# Altium PCB RaspberryHatBoard.PcbDoc
Units mm, origin at the board's own origin, x right, y up, seen from the top; angles counter-clockwise.
Board outline 89 x 56 mm, 2 copper layers (Top Layer, Bottom Layer); 86 components, 77 nets, 302 pads, 61 vias.
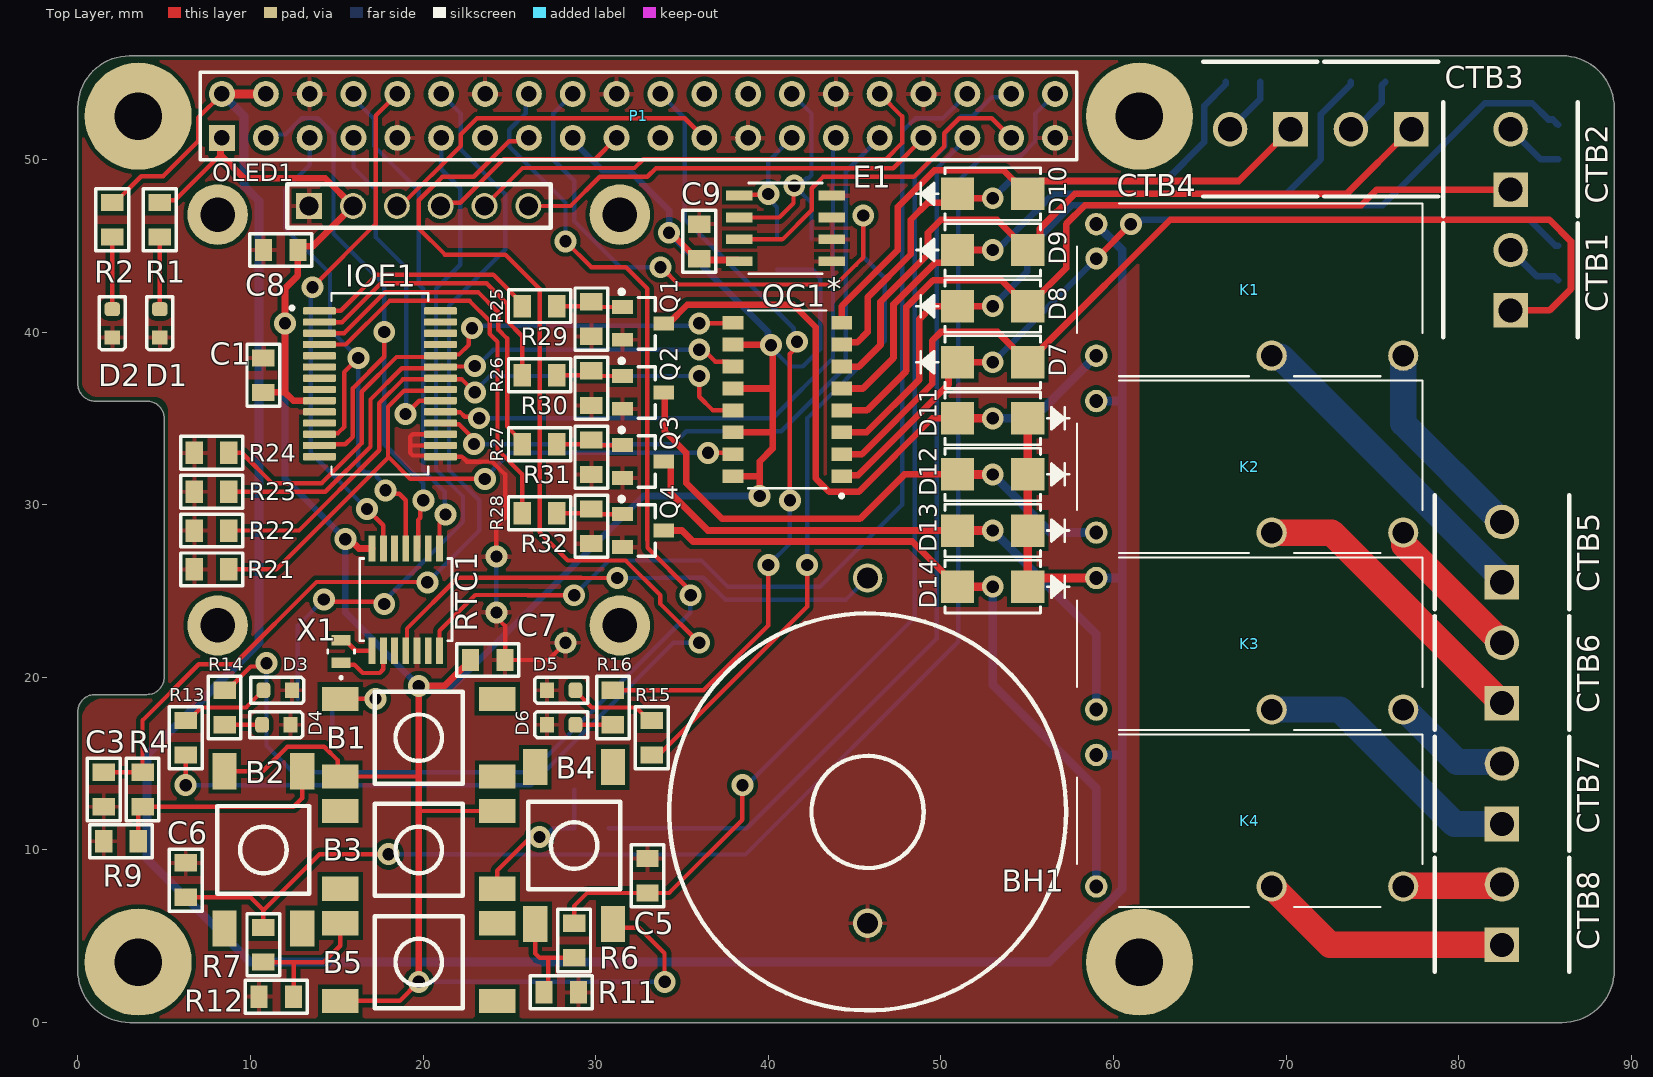
[diagram p0: Top Layer view]
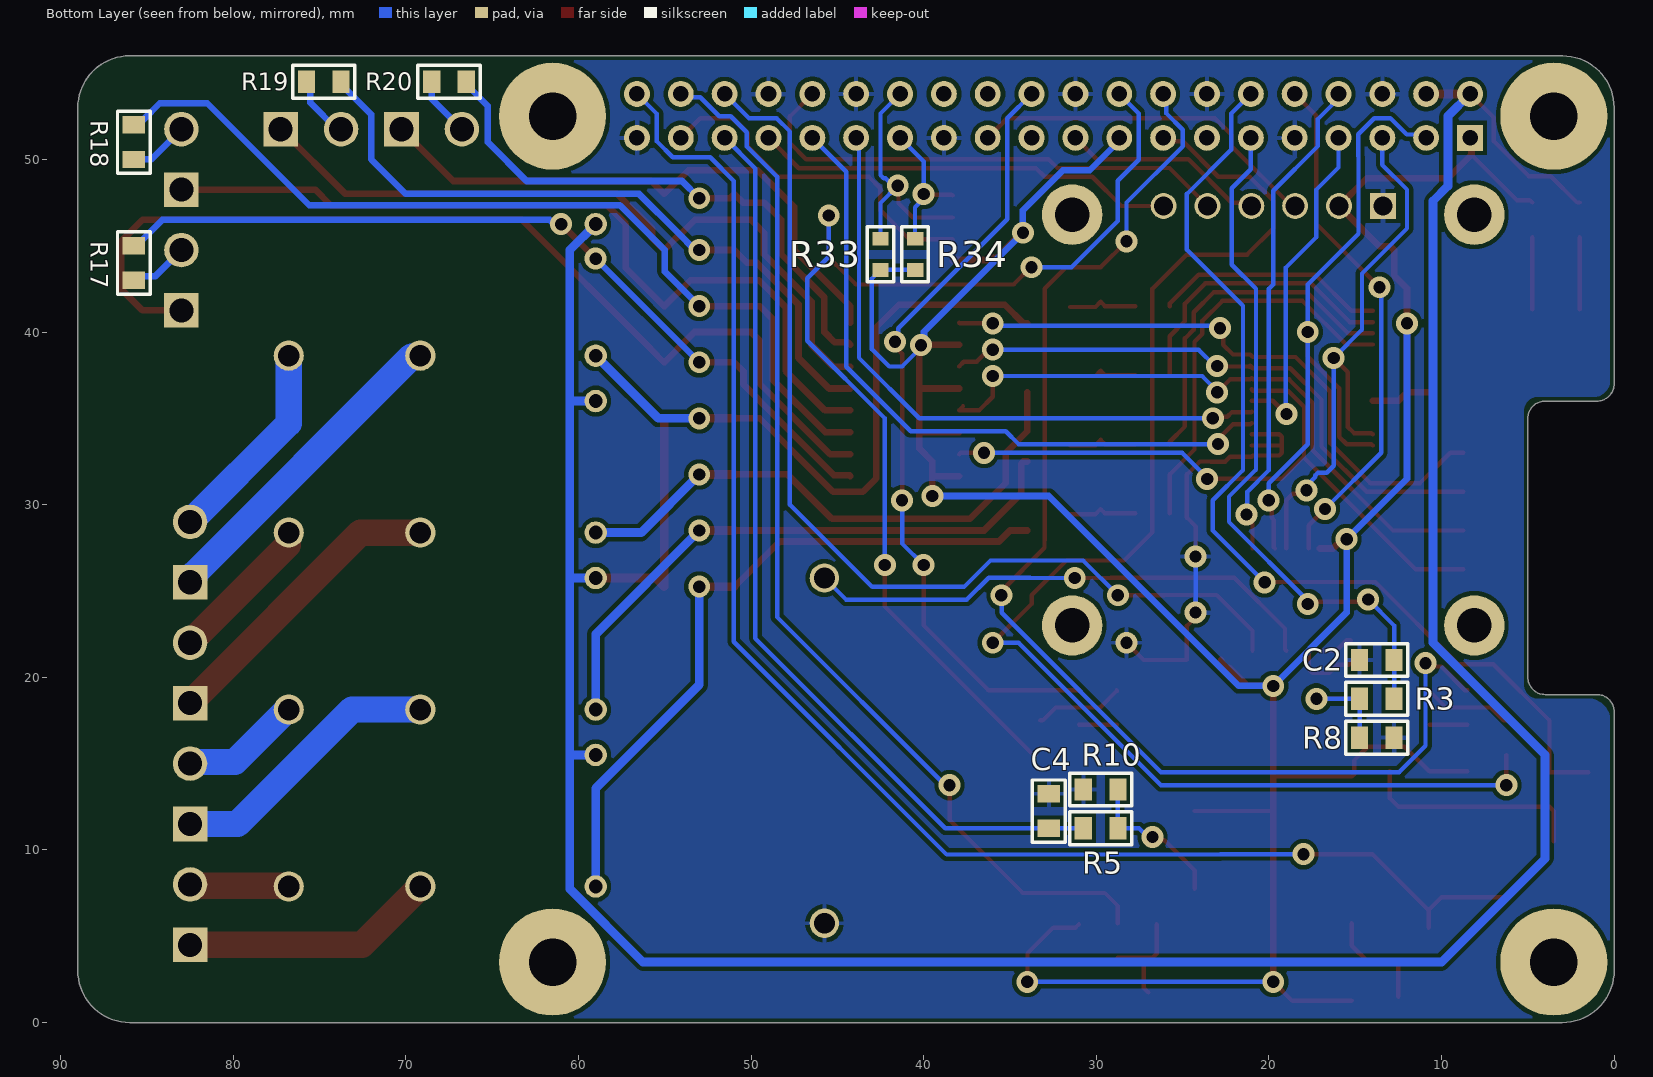
[diagram p1: Bottom Layer view, seen from below]
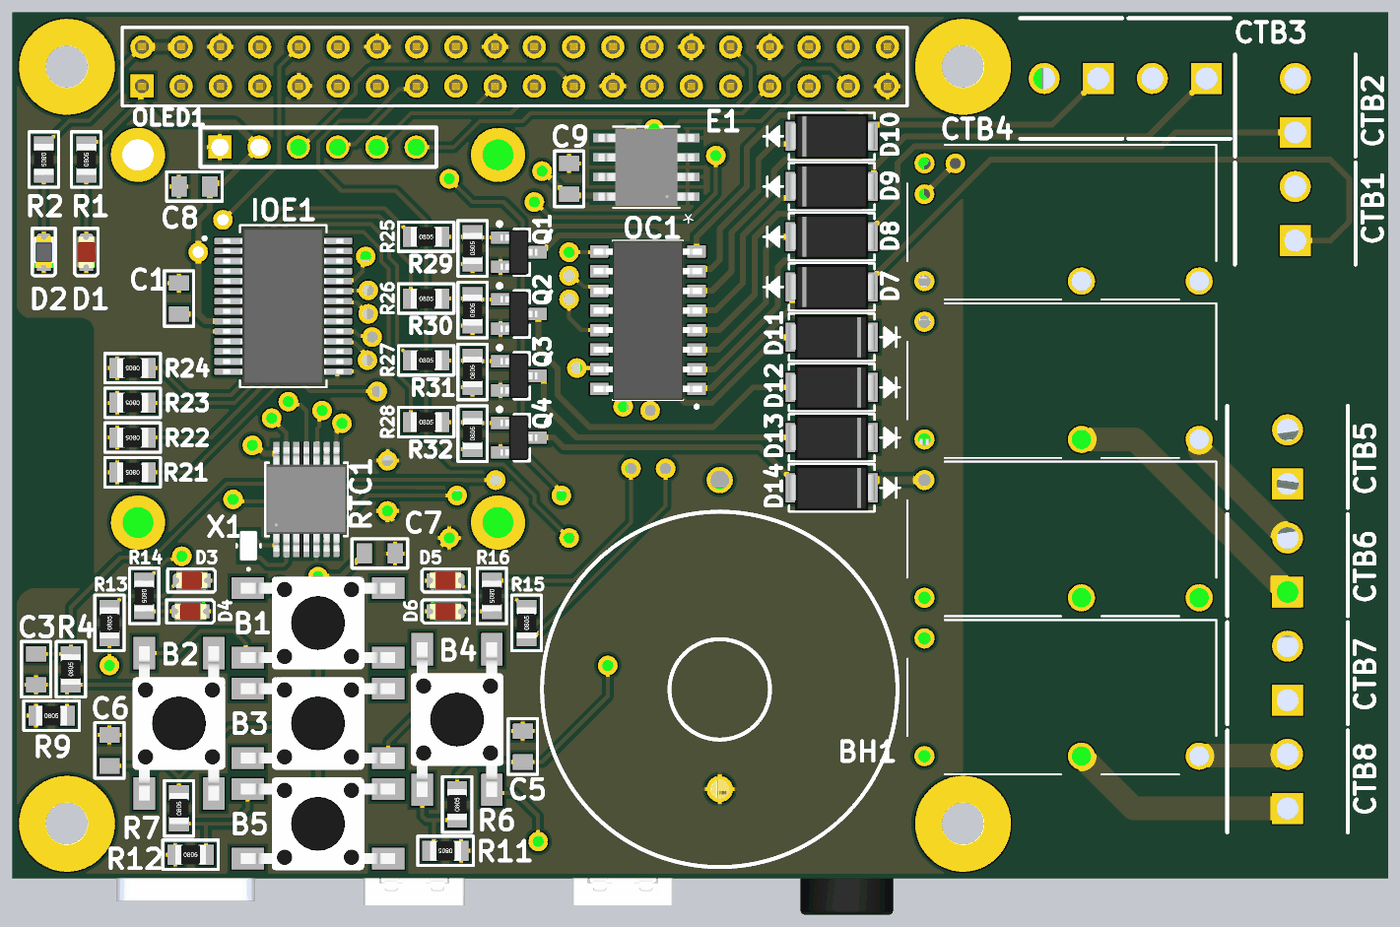
[diagram p2: 3D render of the assembled board from above, using the file's embedded part models]
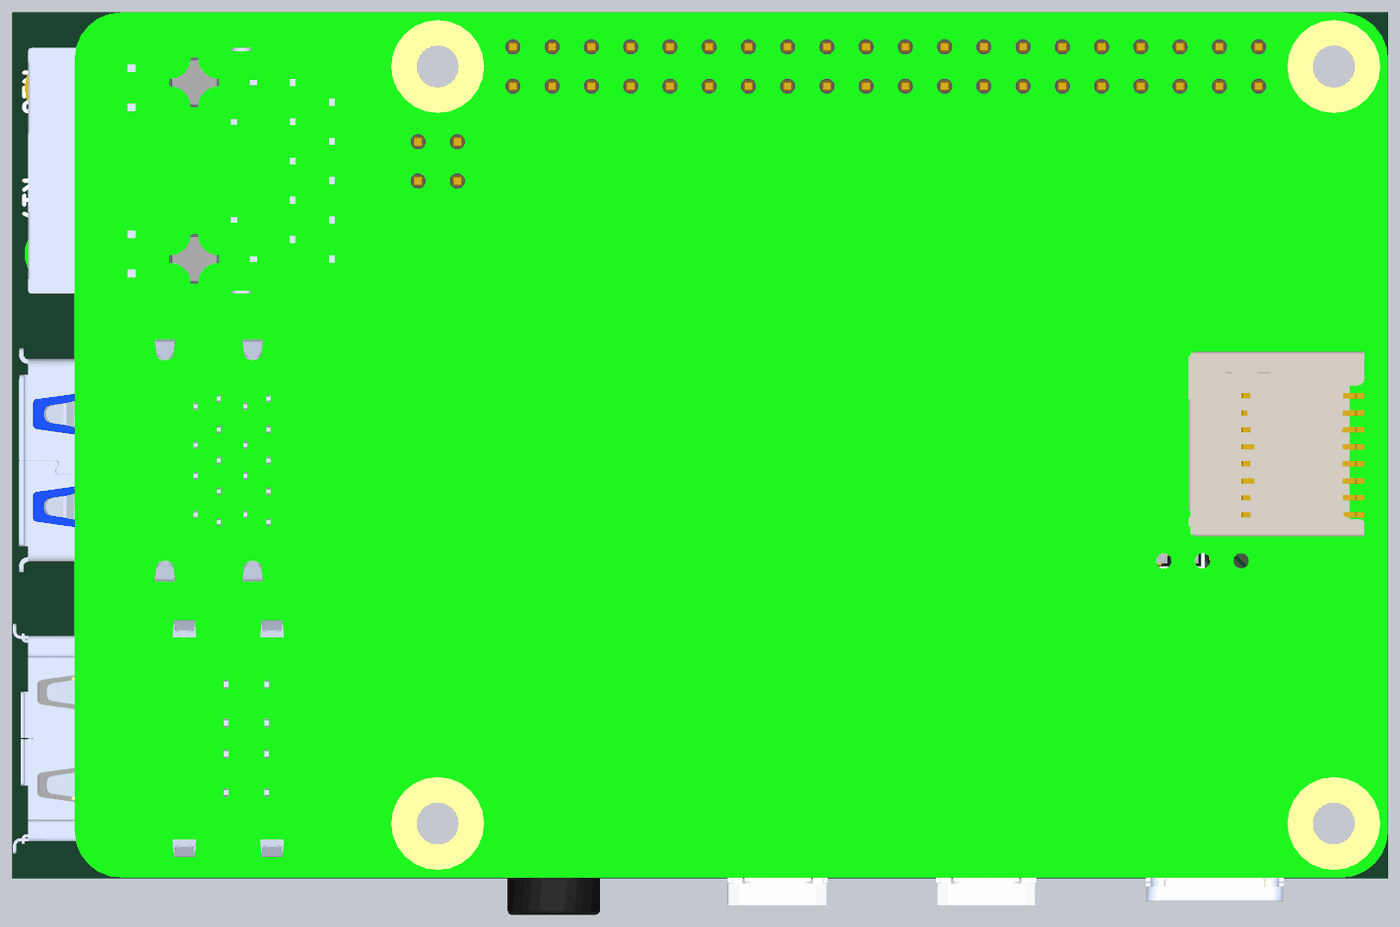
[diagram p3: 3D render of the assembled board from below, using the file's embedded part models]

## Layer stack, top to bottom
Top Solder: solder mask 0.0102, Solder Resist, Dk 3.5
Top Layer: signal copper 0.0406
Dielectric 1: dielectric 0.32, FR-4, Dk 4.8
Bottom Layer: signal copper 0.0406
Bottom Solder: solder mask 0.0102, Solder Resist, Dk 3.5

## Board outline
0,3 0,18 cw(c1,18) 1,19 4,19 ccw(c4,20) 5,20 5,35 ccw(c4,35) 4,36 1,36 cw(c1,37) 0,37 0,53 cw(c3,53) 3,56 86,56 cw(c86,53) 89,53 89,3 cw(c86,3) 86,0 3,0 cw(c3,3)

## Design rules (kind name [scope] priority, off if disabled: settings)
Clearance [All] p1: gap=0.254 ignorepadtopadclearanceinfootprint=TRUE except(0: Arc-Hole Track-Hole SMDPad-Hole THPad-Hole Via-Hole Fill-Hole Poly-Hole Region-Hole Text-Hole; 0.229: Arc-SMDPad Track-SMDPad)
ComponentClearance Sorkapocs [HasFootprint('ONLAB_SORK_2_RN3.50') vs HasFootprint('ONLAB_SORK_2_RN3.50')] p1: gap=0 collisioncheckmode=3 verticalgap=0 showdistances=FALSE
ComponentClearance [All] p2: gap=0.249 collisioncheckmode=3 verticalgap=0.249 showdistances=FALSE
PolygonConnect [All] p1: connectstyle=Relief reliefconductorwidth=0.254 reliefentries=4 polygonreliefangle="90 Angle" airgapwidth=0.254
RoutingVias [All] p1: holewidth=0.711 width=1.27 viastyle="Through Hole" minholewidth=0.711 minwidth=1.27 maxholewidth=0.711 maxwidth=1.27
SolderMaskExpansion [All] p1: expansion=0.102 istentingtop=FALSE
Width [All] p1: maxlimit=2.032 minlimit=0.254 preferedwidth=0.254
29 further rules are at their usual default settings.

## Classes and differential pairs
component class U_RaspberryPinout: C1 D1 D2 IOE0 IOE1 P1 R1 R2
component class U_InputOutput: CTB1 CTB2 CTB3 CTB4 CTB5 CTB6 CTB7 CTB8 D7 D8 D9 D10 D11 D12 D13 D14 K1 K2 K3 K4 OC1 Q1 Q2 Q3 Q4 R17 R18 R19 R20 R21 R22 R23 R24 R25 R26 R27 R28 R29 R30 R31 R32
component class U_Components: B1 B2 B3 B4 B5 BH1 C2 C3 C4 C5 C6 C7 C8 C9 D3 D4 D5 D6 E1 OLED1 R3 R4 R5 R6 R7 R8 R9 R10 R11 R12 R13 R14 R15 R16 R33 R34 RTC1 X1

## Components (designator, comment, footprint, x,y, rotation, side; value= is the part's Value field where it differs from the comment)
B1 "Button" FP_BTN_SMD 19.75,16.5 r90 top
B2 "Button" FP_BTN_SMD 10.75,10 r0 top
B3 "Button" FP_BTN_SMD 19.75,10 r270 top
B4 "Button" FP_BTN_SMD 28.75,10.25 r180 top
B5 "Button" FP_BTN_SMD 19.75,3.5 r90 top
BH1 "Battery Holder" ONLAB_ELEMTARTO 45.75,12.2 r0 top locked
C1 "100nF" FP_0805_CAP_085 10.75,37.5 r270 top
C2 "2.2uF" FP_0805_CAP_085 13.75,21 r180 bottom
C3 "2.2uF" FP_0805_CAP_085 1.5,13.5 r90 top
C4 "2.2uF" FP_0805_CAP_085 32.75,12.25 r270 bottom
C5 "2.2uF" FP_0805_CAP_085 33,8.5 r270 top
C6 "2.2uF" FP_0805_CAP_085 6.25,8.25 r270 top
C7 "100nF" FP_0805_CAP_085 23.75,21 r0 top
C8 "100nF" FP_0805_CAP_085 11.75,44.75 r0 top
C9 "100nF" FP_0805_CAP_085 36,45.25 r90 top
CTB1 "Contact Terminal Block" ONLAB_SORK_2_RN3.50 83,39.5 r90 top
CTB2 "Contact Terminal Block" ONLAB_SORK_2_RN3.50 83,46.5 r90 top
CTB3 "Contact Terminal Block" ONLAB_SORK_2_RN3.50 79,51.75 r180 top
CTB4 "Contact Terminal Block" ONLAB_SORK_2_RN3.50 72,51.75 r180 top
CTB5 "Contact Terminal Block" ONLAB_SORK_2_RN3.50 82.5,23.75 r90 top
CTB6 "Contact Terminal Block" ONLAB_SORK_2_RN3.50 82.5,16.75 r90 top
CTB7 "Contact Terminal Block" ONLAB_SORK_2_RN3.50 82.5,9.75 r90 top
CTB8 "Contact Terminal Block" ONLAB_SORK_2_RN3.50 82.5,2.75 r90 top
D1 "RED LED" FP_0805_LED_RED 4.75,40.5 r270 top
D2 "BLUE LED" FP_0805_LED_BLUE 2,40.5 r270 top
D3 "RED LED" FP_0805_LED_RED 11.575,19.25 r0 top
D4 "RED LED" FP_0805_LED_RED 11.5,17.25 r0 top
D5 "RED LED" FP_0805_LED_RED 28,19.25 r180 top
D6 "RED LED" FP_0805_LED_RED 28,17.25 r180 top
D7 "Diode" ONLAB_SMA_DO-214AC 53,38.25 r0 top
D8 "Diode" ONLAB_SMA_DO-214AC 53,41.5 r0 top
D9 "Diode" ONLAB_SMA_DO-214AC 53,44.75 r0 top
D10 "Diode" ONLAB_SMA_DO-214AC 53,48 r0 top
D11 "Diode" ONLAB_SMA_DO-214AC 53,35 r180 top
D12 "Diode" ONLAB_SMA_DO-214AC 53,31.75 r180 top
D13 "Diode" ONLAB_SMA_DO-214AC 53,28.5 r180 top
D14 "Diode" ONLAB_SMA_DO-214AC 53,25.25 r180 top
E1 "EEPROM" ONLAB_M24C64-WMN6TP_SO-8_STM 41,46 r180 top
IOE1 "MCP23017-E/SS" ONLAB_MCP23017-E/SS_SOP65P780X200-28N 17.5,37 r0 top
K1 "Relay" ONLAB_RELAY_ALQ305 67.89,42.44 r0 top locked
K2 "Relay" ONLAB_RELAY_ALQ305 67.89,32.19 r0 top locked
K3 "Relay" ONLAB_RELAY_ALQ305 67.89,21.94 r0 top locked
K4 "Relay" ONLAB_RELAY_ALQ305 67.89,11.69 r0 top locked
OC1 "Optocoupler" ONLAB_OPTO_TLP290-4 41.1,36.095 r180 top
OLED1 "OLED Screen" ONLAB_OLED_D096-12864-SPI6 19.75,48.8 r0 top locked
P1 "Raspberry Pi 4" ONLAB_RASPBERRY_4_BIG 32.48,52.52 r0 top locked
Q1 "NMOS" ONLAB_2N7002_SOT23127P600-8N 32.75,40.5 r270 top
Q2 "NMOS" ONLAB_2N7002_SOT23127P600-8N 32.75,36.5 r270 top
Q3 "NMOS" ONLAB_2N7002_SOT23127P600-8N 32.75,32.5 r270 top
Q4 "NMOS" ONLAB_2N7002_SOT23127P600-8N 32.75,28.5 r270 top
R1 "91R0" FP_0805_RES 4.75,46.5 r90 top
R2 "160R" FP_0805_RES 2,46.5 r270 top
R3 "4K70" FP_0805_RES 13.75,18.75 r180 bottom
R4 "4K70" FP_0805_RES 3.75,13.5 r90 top
R5 "4K70" FP_0805_RES 29.75,11.25 r0 bottom
R6 "4K70" FP_0805_RES 28.75,4.75 r90 top
R7 "4K70" FP_0805_RES 10.75,4.5 r90 top
R8 "10K" FP_0805_RES 13.75,16.5 r0 bottom
R9 "10K" FP_0805_RES 2.5,10.5 r0 top
R10 "10K" FP_0805_RES 29.75,13.5 r180 bottom
R11 "10K" FP_0805_RES 28,1.75 r180 top
R12 "10K" FP_0805_RES 11.5,1.5 r0 top
R13 "91R0" FP_0805_RES 6.25,16.5 r90 top
R14 "91R0" FP_0805_RES 8.5,18.25 r270 top
R15 "91R0" FP_0805_RES 33.25,16.5 r90 top
R16 "91R0" FP_0805_RES 31,18.25 r270 top
R17 "130R" FP_0805_RES 85.75,44 r90 bottom
R18 "130R" FP_0805_RES 85.75,51 r90 bottom
R19 "130R" FP_0805_RES 74.75,54.5 r180 bottom
R20 "130R" FP_0805_RES 67.5,54.5 r180 bottom
R21 "10K" FP_0805_RES 7.75,26.25 r180 top
R22 "10K" FP_0805_RES 7.75,28.5 r180 top
R23 "10K" FP_0805_RES 7.75,30.75 r180 top
R24 "10K" FP_0805_RES 7.75,33 r180 top
R25 "130R" FP_0805_RES 26.75,41.5 r0 top
R26 "130R" FP_0805_RES 26.75,37.5 r0 top
R27 "130R" FP_0805_RES 26.75,33.5 r0 top
R28 "130R" FP_0805_RES 26.75,29.5 r0 top
R29 "10K" FP_0805_RES 29.75,40.75 r90 top
R30 "10K" FP_0805_RES 29.75,36.75 r90 top
R31 "10K" FP_0805_RES 29.75,32.75 r90 top
R32 "10K" FP_0805_RES 29.75,28.75 r90 top
R33 "4K70" FP_0603_RES 42.5,44.5 r270 bottom
R34 "4K70" FP_0603_RES 40.5,44.5 r270 bottom
RTC1 "I2C RTC" ONLAB_PCF8523TS/1,118_TSSOP-14 19,24.5 r90 top
X1 "32.768 kHz" ONLAB_XTAL_LFXTAL050789_IQD 15.25,21.5 r90 top

## Footprints (in the part's own frame and the unit in brackets; to place one, negate y for a bottom-side part, rotate by r counter-clockwise, add the part's x,y. Pads: shape width x height; smd on the part's side, far side on the other; paste and mask are expansions set on the pad)
FP_0603_RES [mm] "0603 ellenállás"
  rect 0.8x0.95 smd: 1(-0.9,0) 2(0.9,0)
  silkscreen extent -1.6,-0.77 1.6,0.77, body extent -0.8,-0.4 0.8,0.4, height 0.44
FP_0805_CAP_085 [mm] "0805 kapacitás YAGEO 0.85mm magas"
  rect 1x1.3 smd: 1(-1,0) 2(1,0)
  silkscreen extent -1.8,-0.95 1.8,0.95, body extent -1,-0.64 1.03,0.64, height 0.85
FP_0805_LED_BLUE [mm] "0805 méretű kék LED"
  rrect50% 0.8x0.9 smd: A(-0.825,0)
  rect 0.8x0.9 smd: K(0.825,0)
  silkscreen extent -1.55,-0.75 1.53,0.75, body extent -1.01,-0.63 1.01,0.62, height 1.1
FP_0805_LED_RED [mm] "0805 méretű piros LED"
  rrect50% 0.8x0.9 smd: A(-0.825,0)
  rect 0.8x0.9 smd: K(0.825,0)
  silkscreen extent -1.55,-0.75 1.53,0.75, body extent -1.01,-0.62 1.01,0.62, height 1.1
FP_0805_RES [mm] "0805 ellenállás"
  rect 1x1.3 smd: 1(-1,0) 2(1,0)
  silkscreen extent -1.8,-0.95 1.8,0.95, body extent -1,-0.62 1,0.63, height 0.62
FP_BTN_SMD [mm] "SMD Push Button 6x6mm"
  rect 1.4x2.1 smd: 1(2.25,4.55) 2(2.25,-4.55) 3(-2.25,4.55) 4(-2.25,-4.55)
  silkscreen extent -2.67,-2.54 2.67,2.54, body extent -3,-5 3,5, height 5.1
ONLAB_2N7002_SOT23127P600-8N [mm]
  rect 0.8x1.2 smd: D(0,1.2) G(-0.95,-1.2) S(0.95,-1.2)
  silkscreen extent -1.95,-1.37 1.5,0.7, body extent -1.45,-1.2 1.45,1.2, height 0.96
ONLAB_ELEMTARTO [mm]
  round 1.7 hole 1.2: +(0,13.55) -(0,-6.45)
  silkscreen extent -11.5,-11.5 11.5,11.5, body extent -11.45,-11.45 11.45,16.2, height 8.2
ONLAB_M24C64-WMN6TP_SO-8_STM [mil]
  rect 61x22 smd paste+0 mask+0: 1(-105.5,75) 2(-105.5,25) 3(-105.5,-25) 4(-105.5,-75) 5(105.5,-75) 6(105.5,-25) 7(105.5,25) 8(105.5,75)
  silkscreen extent -84,-104 84,104, body extent -122,-98 122,99, height 69
ONLAB_MCP23017-E/SS_SOP65P780X200-28N [mm]
  rrect25% 1.9x0.42 smd: 1(-3.505,4.225) 3(-3.505,2.925) 4(-3.505,2.275) 5(-3.505,1.625) 6(-3.505,0.975) 7(-3.505,0.325) 8(-3.505,-0.325) 9(-3.505,-0.975) 10(-3.505,-1.625) 11(-3.505,-2.275) 12(-3.505,-2.925) 13(-3.505,-3.575) 14(-3.505,-4.225) 15(3.505,-4.225) 16(3.505,-3.575) 17(3.505,-2.925) 18(3.505,-2.275) 19(3.505,-1.625) 20(3.505,-0.975) 21(3.505,-0.325) 22(3.505,0.325) 23(3.505,0.975) 24(3.505,1.625) 25(3.505,2.275) 26(3.505,2.925) 27(3.505,3.575) 28(3.505,4.225)
  rrect25% 1.9x0.42 smd mask+0.102: 2(-3.505,3.575)
  silkscreen extent -5.19,-5.25 2.8,5.25, body extent -3.9,-5.1 3.9,5.1, height 2
ONLAB_OLED_D096-12864-SPI6 [mm]
  round 3.5 hole 2: 0(-11.65,-25.8) 0(-11.65,-2) 0(11.65,-25.8) 0(11.65,-2)
  rect 1.5x1.5 hole 1.1: 1(-6.35,-1.5)
  round 1.5 hole 1.1: 2(-3.81,-1.5) 3(-1.27,-1.5) 4(1.27,-1.5) 5(3.81,-1.5) 6(6.35,-1.5)
  silkscreen extent -7.62,-2.77 7.65,-0.23, body extent -13.65,-27.8 13.65,0, height 6.24
ONLAB_OPTO_TLP290-4 [mm]
  rect 1.2x0.8 smd: 1(-3.15,4.445) 2(-3.15,3.175) 3(-3.15,1.905) 4(-3.15,0.635) 5(-3.15,-0.635) 6(-3.15,-1.905) 7(-3.15,-3.175) 8(-3.15,-4.445) 9(3.15,-4.445) 10(3.15,-3.175) 11(3.15,-1.905) 12(3.15,-0.635) 13(3.15,0.635) 14(3.15,1.905) 15(3.15,3.175) 16(3.15,4.445)
  silkscreen extent -3.25,-5.15 2.27,5.69, body extent -3.5,-5.15 3.5,5.15, height 2.3
ONLAB_PCF8523TS/1,118_TSSOP-14 [mm]
  rect 1.524x0.396 smd paste+0 mask+0.051: 1(-2.96,1.95) 2(-2.96,1.3) 3(-2.96,0.65) 4(-2.96,0) 5(-2.96,-0.65) 6(-2.96,-1.3) 7(-2.96,-1.95) 8(2.96,-1.95) 9(2.96,-1.3) 10(2.96,-0.65) 11(2.96,0) 12(2.96,0.65) 13(2.96,1.3) 14(2.96,1.95)
  silkscreen extent -2.38,-2.68 2.38,2.68, body extent -3.37,-2.55 3.37,2.55, height 1.1
ONLAB_RASPBERRY_4_BIG [mm]
  rect 1.5x1.5 hole 0.9: 1(-24.13,-1.27)
  round 1.5 hole 0.9: 2(-24.13,1.27) 3(-21.59,-1.27) 4(-21.59,1.27) 5(-19.05,-1.27) 6(-19.05,1.27) 7(-16.51,-1.27) 8(-16.51,1.27) 9(-13.97,-1.27) 10(-13.97,1.27) 11(-11.43,-1.27) 12(-11.43,1.27) 13(-8.89,-1.27) 14(-8.89,1.27) 15(-6.35,-1.27) 16(-6.35,1.27) 17(-3.81,-1.27) 18(-3.81,1.27) 19(-1.27,-1.27) 20(-1.27,1.27) 21(1.27,-1.27) 22(1.27,1.27) 23(3.81,-1.27) 24(3.81,1.27) 25(6.35,-1.27) 26(6.35,1.27) 27(8.89,-1.27) 28(8.89,1.27) 29(11.43,-1.27) 30(11.43,1.27) 31(13.97,-1.27) 32(13.97,1.27) 33(16.51,-1.27) 34(16.51,1.27) 35(19.05,-1.27) 36(19.05,1.27) 37(21.59,-1.27) 38(21.59,1.27) 39(24.13,-1.27) 40(24.13,1.27)
  silkscreen extent -25.4,-2.54 25.4,2.54, body extent -32.5,-54.9 56.49,3.5
ONLAB_RELAY_ALQ305 [mm]
  round 1.3 hole 0.8: C1(-8.89,-3.81) C2(-8.89,3.81)
  round 1.75 hole 1.25: COM(1.27,-3.81) NO(8.89,-3.81)
  silkscreen extent -10,-5 10,5, body extent -10,-5 10,5, height 16
ONLAB_SMA_DO-214AC [mm] "Vishay Dióda"
  rect 1.92x1.88 smd: A(2.032,0) K(-2.032,0)
  silkscreen extent -4.42,-1.52 2.77,1.52, body extent -2.8,-1.47 2.8,1.48, height 2.7
ONLAB_SORK_2_RN3.50 [mm]
  rect 2x2 hole 1.4: 1(1.75,0)
  round 2 hole 1.4: 2(5.25,0)
  silkscreen extent 0.2,-3.9 6.8,3.9, body extent 0.05,-3.6 6.95,3.6, height 9.1
ONLAB_XTAL_LFXTAL050789_IQD [mil]
  rect 24x43 smd paste+0 mask+0: 1(-25.5,0) 2(25.5,0)
  silkscreen extent -63,-30 4,30, body extent -39,-24 39,24, height 24

## Part data
B1 B2 B3 B4 B5: library part "Button 4P", "Push button"
BH1: "ELEMTARTÓ 1x2032 BH2032-3P (T-T) NYÁK FEKVŐ /CR2032/"
C1 C2 C3 C4 C5 C6 C7 C8 C9: library part CAP, "Capacitor"
CTB1 CTB2 CTB3 CTB4 CTB5 CTB6 CTB7 CTB8: library part CTB, "SORKAPOCS 2 P RM3.50 CPP3.5/2 (STE) LIFTES 1mmř 10A"
D1 D2 D3 D4 D5 D6: library part LED, "Typical RED GaAs LED"
D7 D8 D9 D10 D11 D12 D13 D14: "Default Diode", Code_JEDEC=DO-214-AB, LatestRevisionDate=17-Jul-2002, LatestRevisionNote="Re-released for DXP Platform.", PackageDescription="DO-214-AB/SMC; 2 C-Bend Leads; Body 7.9 x 5.9 mm, inc. leads (LxW)", PackageReference=SMC, PackageVersion=Sep-1996, Published=8-Jun-2000, Publisher="Altium Limited"
E1: "M24C64-WMN6TP (STM) 64Kbit I2C-BUS MEM. SERIAL 8Kx8 EEPROM SO-8"
IOE1: "I/O Expander, 16bit, 1.7 MHz, I2C, Serial, 4.5 V, 5.5 V, SSOP"
K1 K2 K3 K4: library part Relay-SPST, "Single-Pole Single-Throw Relay", LatestRevisionDate=17-Jul-2002, LatestRevisionNote="Re-released for DXP Platform.", PackageReference=MODULE4, Published=24-Mar-1999, Publisher="Altium Limited"
OC1: "TLP293-4 TOSHIBA PHOTOCOUPLER InGaAs IRED & PHOTO-TRANSISTOR"
OLED1: "128x64 OLED, SPI interfész"
Q1 Q2 Q3 Q4: "NXP - BSP030,115 - MOSFET, N CH, 30V, 10A, SOT223"
R1 R2 R3 R4 R5 R6 R7 R8 R9 R10 R11 R12 R13 R14 R15 R16 R17 R18 R19 R20 R21 R22 R23 R24 R25 R26 R27 R28 R29 R30 R31 R32 R33 R34: library part RES, "Resistor"
RTC1: library part RTC_TSSOP-14, "PCF8523TS/1,118 Calendar, Clock IC, Year/Month/Week/Date/Hr/Min/Sec Binary, I2C, 1.2 V to 5.5 V, TSSOP-14"
X1: library part Crystal, "Quarz Crystal"

## Free pads (board coordinates)
  round 6.2 hole 2.75 unplated: 0(3.5,3.5) 0(3.5,52.5) 0(61.5,3.5) 0(61.5,52.5)

## Via types
v1: diameter 1.27, hole 0.711, Top Layer to Bottom Layer, 61 vias

## Nets (pads, with @x,y where several pads share a name; then routed paths per layer and width w, separated by ;. In a path a pad name is that pad's centre, name@x,y a point inside that pad or via, vN(x,y) a via of type N, cw(c..) or ccw(c..) an arc to the next point about the centre after c; other vN are vias at no path point)
3V3: B1.3 B2.3 B3.3 B4.3 B5.3 C1.2 C7.1 C8.2 C9.1 E1.8 IOE1.9 OC1.10 OC1.12 OC1.14 OC1.16 OLED1.2 P1.1 P1.17 R1.2 R33.2 R34.2 RTC1.14 | length 194.9
  Top Layer w0.254: R1.2 4.882,47.632 5.632,47.632 8.268,50.268 ; P1.1@8.268,51.168 P1.1 ; B2.3 10.711,14.55 12.142,15.981 14.269,15.981 15.068,15.182 15.068,14.382 B1.3 19.75,14.25 ; B5.3 18.643,1.25 v1(19.75,2.357) ; 19.75,12.25 B3.3 ; B4.3 31.2,5.5 32.5,5.5 33.984,4.016 33.984,2.373 v1(34,2.357)
  Top Layer w0.381: P1.1@8.268,51.168 8.268,50.268 9.632,48.903 14.337,48.903 OLED1.2 13.598,44.958 12.958,44.958 C8.2 12.75,43.277 12,42.527 v1(12,40.5) 12,36.5 ; C1.2 12,36.5 ; IOE1.9 12.475,36.025 12,36.5 ; v1(15.5,28) 15.741,28 16.281,27.46 RTC1.14 ; v1(19.75,2.357) 19.75,12.25 19.75,14.25 v1(19.75,19.5) 21.25,19.5 22.29,20.54 22.44,20.54 22.75,20.85 C7.1 ; v1(34.25,45.75) 34.35,45.75 35.85,44.25 C9.1 ; C9.1@36,44.321 36.149,44.172 38.243,44.172 E1.8 ; OC1.16 39.35,31.65 39.5,31.5 ; OC1.14 40.19,34.19 40.25,34.25 ; OC1.12 40.23,36.73 40.25,36.75 ; OC1.10 37.966,39.254 40.137,39.254 v1(40.154,39.237) ; v1(39.5,30.5) 39.5,31.5 ; v1@40.23,39.27 40.25,39.25 40.25,36.75 ; 39.5,31.5 39.5,31.65 39.5,32.5 40.25,33.25 40.25,34.25 ; 40.25,34.25 40.25,36.75
  Bottom Layer w0.254: v1(19.75,2.357) v1(34,2.357) ; v1(40.154,39.237) 40.154,39.096 41.25,38 42,38 43,39 43,43.1 42.848,43.252 42.848,43.327 42.575,43.6 R34.2
  Bottom Layer w0.381: v1(12,40.5) 12,31.5 v1(15.5,28) 15.5,23.75 v1(19.75,19.5) 21.75,19.5 32.75,30.5 v1(39.5,30.5) ; P1.17 28.67,51.08 30.378,49.372 31.931,49.372 34.25,47.053 v1(34.25,45.75) 39.984,40.016 39.984,39.408 v1(40.154,39.237)
5V: D11.K D12.K D13.K D14.K K1.C2 K2.C2 K3.C2 K4.C2 P1.2 P1.4 R2.1 | length 178.5
  Top Layer w0.254: R2.1 2.15,47.5 3.669,49.019 4.942,49.019 6.981,51.058 6.981,52.421 P1.2
  Top Layer w0.508: P1.2 P1.4 ; D11.K D12.K D13.K D14.K 55.532,25.75 K3.C2
  Bottom Layer w0.508: P1.2 9.632,52.508 9.632,48.461 10.5,47.593 10.5,22 4,15.5 4,9.5 10,3.5 56.258,3.5 60.5,7.742 60.5,15.5 ; K4.C2 60.5,15.5 ; K3.C2 60.5,25.75 ; K2.C2 60.5,36 ; K1.C2 60.5,44.75 60.5,36 ; 60.5,15.5 60.5,25.75 ; 60.5,25.75 60.5,36
GND: BH1.- C1.1 C2.1 C3.1 C4.1 C5.1 C6.1 C7.2 C8.1 C9.2 D1.K D2.K D3.K D4.K D5.K D6.K E1.1 E1.2 E1.3 E1.4 IOE1.10 IOE1.15 IOE1.16 IOE1.17 OLED1.1 P1.6 P1.9 P1.14 P1.20 P1.25 P1.30 P1.34 P1.39 Q1.S Q2.S Q3.S Q4.S R8.1 R9.1 R10.1 R11.1 R12.1 R21.2 R22.2 R23.2 R24.2 R29.1 R30.1 R31.1 R32.1 RTC1.5 | length 25.6
  Top Layer w0.254: IOE1.16 19.288,33.425 19.25,33.463 ; IOE1.17 19.399,34.075 19.25,33.926 19.25,33.463 ; v1(24.25,23.75) 24.25,23.475 24.75,22.975 C7.2 27.25,21 v1(28.25,22) ; v1(24.25,27) 24.25,28.75 24.75,29.25 24.75,31.75 23.999,32.501 23.381,32.501 23.373,32.493 22.531,32.493 22.249,32.775 IOE1.15 20.934,32.846 19.404,32.846 19.25,33 19.25,33.463
  Bottom Layer w0.254: v1(24.25,23.75) v1(24.25,27)
IOE0_INTA: IOE1.20 P1.7 | length 19.6
  Top Layer w0.254: v1(18.984,35.25) 19,35.25 19.775,36.025 IOE1.20
  Bottom Layer w0.254: P1.7 15.97,49.53 17.25,48.25 17.25,45.5 19.016,43.734 19.016,35.282 v1(18.984,35.25)
IOE0_INTB: IOE1.19 P1.29 | length 37.2
  Top Layer w0.254: IOE1.19 21.02,35.36 22.14,35.36 22.409,35.091 23.163,35.091 v1(23.251,35.003)
  Bottom Layer w0.254: v1(23.251,35.003) 40.253,35.003 43.75,38.5 43.75,51.09 P1.29
IOE0_R\E\S\E\T\: IOE1.18 P1.31 | length 40.1
  Top Layer w0.254: IOE1.18 21.076,34.654 22.084,34.654 22.757,33.98 22.757,33.703 v1(22.952,33.509)
  Bottom Layer w0.254: v1(22.952,33.509) 34.509,33.509 35.25,34.25 40.75,34.25 44.484,37.984 44.484,49.284 P1.31
NetB1_1: B1.1 R3.1 R8.2 | length 6.8
  Top Layer w0.254: B1.1 v1(17.25,18.75)
  Bottom Layer w0.254: R8.2 R3.1 v1(17.25,18.75)
NetB2_1: B2.1 R4.1 R9.2 | length 13.1
  Top Layer w0.254: R9.2 3.5,12.25 R4.1 12.5,12.5 13,13 B2.1
NetB3_1: B3.1 R5.1 R10.2 | length 8.8
  Top Layer w0.254: B3.1 24.3,8.8 26.056,10.556 26.556,10.556 v1(26.75,10.75)
  Bottom Layer w0.254: v1(26.75,10.75) 27.025,10.75 27.525,11.25 R5.1 R10.2
NetB4_1: B4.1 R6.1 R11.2 | length 6.2
  Top Layer w0.254: B4.1 26.5,4 26.75,3.75 27.25,3.75 ; R11.2 27.25,2 27.25,3.75 ; R6.1 27.25,3.75
NetB5_1: B5.1 R7.1 R12.2 | length 8.1
  Top Layer w0.254: R7.1 12.5,3.5 ; R12.2 12.5,3.5 ; B5.1 15.2,4.45 14.25,3.5 12.5,3.5
NetBH1_+: BH1.+ RTC1.4 | length 30.3
  Top Layer w0.254: RTC1.4 19.071,21.611 19.071,22.821 22.016,25.766 29.171,25.766 29.187,25.75 v1(31.25,25.75)
  Bottom Layer w0.254: v1(31.25,25.75) 33.812,25.75 33.828,25.766 36.234,25.766 37.5,24.5 44.5,24.5 BH1.+
NetC2_2: C2.2 P1.11 R3.2 | length 40.5
  Top Layer w0.254: v1(14.25,24.5) 14.375,24.375 17.625,24.375 v1(17.75,24.25)
  Bottom Layer w0.254: R3.2 C2.2 12.75,23 v1(14.25,24.5) ; v1(17.75,24.25) 17.75,24.437 22.314,29.001 22.314,30.468 20.75,32.032 20.75,42.5 22.151,43.901 22.151,48.322 21.05,49.423 P1.11
NetC3_2: C3.2 P1.12 R4.2 | length 58.2
  Top Layer w0.254: C3.2 R4.2 3.75,17.5 7,20.75 9.063,20.75 13.829,25.516 20.234,25.516 v1(20.25,25.5)
  Bottom Layer w0.254: v1(20.25,25.5) 23.25,28.5 23.25,30.25 21.5,32 21.5,41.519 24.75,44.769 24.75,48 22.181,50.569 22.181,52.659 P1.12
NetC4_2: C4.2 P1.35 R5.2 | length 53.3
  Bottom Layer w0.254: R5.2 C4.2 38.75,11.25 49.75,22.25 49.75,49.47 P1.35
NetC5_2: C5.2 P1.38 R6.2 | length 62.4
  Top Layer w0.254: R6.2 28.75,6.75 29.5,7.5 34.25,7.5 38.5,11.75 v1(38.5,13.75)
  Bottom Layer w0.254: v1(38.5,13.75) 38.75,13.75 48.492,23.492 48.492,48.992 50.25,50.75 50.25,51.569 51.181,52.5 51.839,52.5 52.939,53.6 53.88,53.6 P1.38
NetC6_2: C6.2 P1.40 R7.2 | length 87.8
  Top Layer w0.254: C6.2 10,7.25 10.75,6.5 ; R7.2 10.75,6.5 ; v1(18,9.75) 14,9.75 10.75,6.5
  Bottom Layer w0.254: v1(18,9.75) 22.812,9.75 22.828,9.734 38.671,9.734 51,22.063 51,48.75 52.369,50.119 54.538,50.119 55.455,51.036 55.455,52.635 P1.40
NetCTB1_1: CTB1.1 D7.A OC1.2 | length 58.1
  Top Layer w0.381: OC1.2 45.42,32.92 49.5,37 49.5,39.5 50,40 51.5,40 53.282,40 54.263,39.02 54.263,39 55.012,38.25 55.052,38.25 55.802,39 55.802,39.02 63.282,46.5 85.25,46.5 86.5,45.25 86.5,42.5 85.25,41.25 CTB1.1
NetCTB1_2: CTB1.2 R17.1 | length 3.5
  Bottom Layer w0.381: CTB1.2 84.528,43.221 85.529,43.221 R17.1
NetCTB2_1: CTB2.1 D8.A OC1.4 | length 48.9
  Top Layer w0.381: OC1.4 45.71,35.46 48,37.75 48,41.454 49.546,43 53.512,43 D8.A@55.012,41.5 ; D8.A 55.052,41.5 55.802,42.25 57.25,43.698 57.25,46.25 58.344,47.345 74.344,47.345 75.25,48.25 CTB2.1
NetCTB2_2: CTB2.2 R18.1 | length 3.5
  Bottom Layer w0.381: CTB2.2 84.75,50 R18.1
NetCTB3_1: CTB3.1 D9.A OC1.6 | length 42.7
  Top Layer w0.381: OC1.6 45.25,38 46.5,39.25 46.5,41.75 49.25,44.5 49.25,45.75 50,46.5 53.25,46.5 54.251,45.5 54.283,45.5 D9.A 55.739,45.457 55.739,45.989 57.75,48 73.5,48 CTB3.1
NetCTB3_2: CTB3.2 R19.1 | length 3.7
  Bottom Layer w0.381: CTB3.2 74,51.75 75.527,53.277 75.527,54.277 R19.1
NetCTB4_1: CTB4.1 D10.A OC1.8 | length 33.8
  Top Layer w0.381: OC1.8 44.25,41.5 47.5,44.75 47.5,47.25 49.609,49.359 53.641,49.359 54.251,48.75 54.283,48.75 D10.A 55.782,48.75 56.024,48.75 67.25,48.75 68,49.5 CTB4.1
NetCTB4_2: CTB4.2 R20.1 | length 3.5
  Bottom Layer w0.381: CTB4.2 68.5,53.5 R20.1
NetCTB5_1: CTB5.1 K1.COM | length 18.9
  Bottom Layer w1.524: K1.COM 69.203,38.587 69.663,38.587 82.262,25.988 82.262,25.738 CTB5.1
NetCTB5_2: CTB5.2 K1.NO | length 12
  Bottom Layer w1.524: K1.NO 76.78,34.72 CTB5.2
NetCTB6_1: CTB6.1 K2.COM | length 17.4
  Top Layer w1.524: K2.COM 72.62,28.38 82.262,18.738 CTB6.1
NetCTB6_2: CTB6.2 K2.NO | length 8.7
  Top Layer w1.524: K2.NO 76.823,28.337 76.823,27.677 CTB6.2
NetCTB7_1: CTB7.1 K3.COM | length 16.1
  Bottom Layer w1.524: K3.COM 73.12,18.13 79.75,11.5 CTB7.1
NetCTB7_2: CTB7.2 K3.NO | length 7
  Bottom Layer w1.524: K3.NO 76.841,18.13 76.954,18.017 76.983,18.017 79.909,15.091 82.409,15.091 CTB7.2
NetCTB8_1: CTB8.1 K4.COM | length 14.7
  Top Layer w1.524: K4.COM 72.54,4.5 CTB8.1
NetCTB8_2: CTB8.2 K4.NO | length 5.8
  Top Layer w1.524: K4.NO 76.823,7.923 82.423,7.923 CTB8.2
NetD1_A: D1.A R1.1 | length 4.2
  Top Layer w0.254: D1.A R1.1
NetD2_A: D2.A R2.2 | length 4.2
  Top Layer w0.254: D2.A R2.2
NetD3_A: D3.A R13.2 | length 5.2
  Top Layer w0.254: R13.2 6.4,17.5 7.15,18.25 9.75,18.25 10.472,18.972 10.483,18.972 10.75,19.24 D3.A
NetD4_A: D4.A R14.2 | length 2.2
  Top Layer w0.254: R14.2 D4.A
NetD5_A: D5.A R15.2 | length 5.2
  Top Layer w0.254: D5.A 28.825,19.2 29.775,18.25 32.35,18.25 33.1,17.5 R15.2
NetD6_A: D6.A R16.2 | length 2.2
  Top Layer w0.254: D6.A R16.2
NetD7_2: D7.K OC1.1 R17.2 | length 48.7
  Top Layer w0.381: OC1.1 44.298,31.698 45.198,31.698 49.589,36.089 49.589,36.114 50.437,36.962 50.437,37.719 D7.K v1(53,38.25) ; v1(59,44.25) v1(61,46.25)
  Bottom Layer w0.381: v1(53,38.25) v1(59,44.25) ; v1(61,46.25) 61.17,46.42 61.588,46.42 61.668,46.5 84.1,46.5 85.6,45 R17.2
NetD8_2: D8.K OC1.3 R18.2 | length 52.7
  Top Layer w0.381: OC1.3 45.69,34.19 48.75,37.25 48.75,40.75 49.5,41.5 D8.K v1(53,41.5)
  Bottom Layer w0.381: v1(53,41.5) 55,43.5 55,44.75 57.594,47.345 75.594,47.345 81.5,53.25 84.25,53.25 85.191,52.31 85.44,52.31 R18.2
NetD9_2: D9.K OC1.5 R19.2 | length 40.3
  Top Layer w0.381: OC1.5 45.48,36.73 47.25,38.5 47.25,41.602 49.649,44 50.219,44 D9.K v1(53,44.75)
  Bottom Layer w0.381: v1(53,44.75) 53.241,44.75 54.25,45.759 56.491,48 70,48 72,50 72,52.6 73.75,54.35 R19.2
NetD10_2: D10.K OC1.7 R20.2 | length 32.4
  Top Layer w0.381: OC1.7 44.388,39.408 45.158,39.408 45.75,40 45.75,42 48.25,44.5 48.25,46.5 49.25,47.5 50.468,47.5 D10.K 51.218,47.75 v1(53,47.75)
  Bottom Layer w0.381: v1(53,47.75) 54,48.75 63,48.75 65.25,51 65.25,53.1 66.5,54.35 R20.2
NetD11_1: D11.A K1.C1 Q1.D | length 38.3
  Top Layer w0.381: Q1.D@34,40.5 34.225,40.5 35.305,41.58 41.447,41.58 42.75,40.277 42.75,31.521 43.521,30.75 45.25,30.75 49.5,35 D11.A
  Top Layer w0.508: D11.A v1(53,35)
  Bottom Layer w0.508: v1(53,35) 55.37,35 K1.C1
NetD12_1: D12.A K2.C1 Q2.D | length 32.8
  Top Layer w0.381: Q2.D@34,36.5 34,34.25 35.25,33 35.25,31.25 37.33,29.171 45.309,29.171 47.888,31.75 D12.A
  Top Layer w0.508: D12.A v1(53,31.75)
  Bottom Layer w0.508: v1(53,31.75) 56.37,28.38 K2.C1
NetD13_1: D13.A K3.C1 Q3.D | length 34.5
  Top Layer w0.381: Q3.D@34,32.5 34.225,32.5 34.36,32.366 34.36,30.64 36.5,28.5 D13.A
  Top Layer w0.508: D13.A v1(53,28.5)
  Bottom Layer w0.508: v1(53,28.5) 59,22.5 K3.C1
NetD14_1: D14.A K4.C1 Q4.D | length 40.2
  Top Layer w0.381: Q4.D@34,28.5 35,28.5 35.635,27.865 48.333,27.865 50.948,25.25 D14.A
  Top Layer w0.508: D14.A v1(53,25.25)
  Bottom Layer w0.508: v1(53,25.25) 53,19.569 59,13.569 K4.C1
NetE1_5: E1.5 P1.27 R34.1 | length 8.3
  Top Layer w0.254: E1.5 38.368,47.952 39.952,47.952 v1(40,48)
  Bottom Layer w0.254: R34.1 40.5,47.225 40,47.725 v1(40,48) 40,49.88 P1.27
NetE1_6: E1.6 P1.28 R33.1 | length 14.4
  Top Layer w0.254: E1.6 40.635,46.635 41.46,47.46 41.46,48.436 v1(41.5,48.476)
  Bottom Layer w0.254: P1.28 42.501,52.659 42.501,49.091 42.321,48.912 42.211,48.912 41.775,48.476 v1(41.5,48.476) 42.5,47.476 R33.1
NetE1_7: E1.7 P1.37 | length 20.3
  Top Layer w0.254: E1.7 40.817,45.365 42.516,47.064 42.516,48.334 43.166,48.984 48.426,48.984 50.195,50.753 50.195,51.514 51.062,52.381 52.939,52.381 P1.37
NetIOE1_1: IOE1.1 R25.1 | length 13.5
  Top Layer w0.254: IOE1.1 15.225,41.225 17.328,43.328 24.072,43.328 25.75,41.65 R25.1
NetIOE1_2: IOE1.2 R26.1 | length 16.8
  Top Layer w0.254: IOE1.2 15.325,40.575 17.57,42.82 23.68,42.82 24.869,41.631 24.869,40.631 25.75,39.75 R26.1
NetIOE1_3: IOE1.3 R27.1 | length 20.1
  Top Layer w0.254: IOE1.3 15.425,39.925 17.812,42.312 23.188,42.312 24.361,41.139 24.361,40.139 24.869,39.631 24.869,34.531 25.75,33.65 R27.1
NetIOE1_4: IOE1.4 R28.1 | length 23.3
  Top Layer w0.254: IOE1.4 15.525,39.275 18.054,41.804 22.696,41.804 23.853,40.647 23.853,39.897 24.309,39.441 24.309,33.191 25.75,31.75 R28.1
NetIOE1_12: IOE1.12 P1.5 RTC1.11 | length 33.9
  Top Layer w0.254: IOE1.12 14.066,34.146 15.074,34.146 15.428,34.5 15.428,37.678 v1(16.25,38.5) ; v1(17.828,30.828) 18.022,30.633 18.617,30.633 19,30.25 RTC1.11
  Bottom Layer w0.254: P1.5 13.43,49.68 12,48.25 12,46 14.609,43.391 14.609,40.141 v1(16.25,38.5) 16.25,32.25 16.653,31.847 17.16,31.847 17.309,31.698 17.309,31.621 17.828,31.103 v1(17.828,30.828)
NetIOE1_13: IOE1.13 P1.3 RTC1.10 | length 40.1
  Top Layer w0.254: IOE1.13 14.066,33.496 15.496,33.496 15.936,33.936 15.936,36.749 17.75,38.563 v1(17.75,40) ; RTC1.10 19.712,27.522 19.712,29.107 19.839,29.234 19.839,30.073 v1(20.016,30.25)
  Bottom Layer w0.254: P1.3 11.08,51.44 12.021,51.44 12.962,52.381 13.898,52.381 14.824,51.455 14.824,50.176 14.809,50.161 14.809,45.691 17.75,42.75 17.75,40.242 v1(17.75,40) 17.75,33.5 20.016,31.234 v1(20.016,30.25)
NetIOE1_21: IOE1.21 OC1.15 R21.1 | length 39.5
  Top Layer w0.254: R21.1 11.5,26.25 17.968,32.718 17.968,32.782 ; IOE1.21 20.934,36.604 18.901,36.604 17.968,35.671 17.968,32.782 ; v1(23.578,31.485) 23.563,31.5 19.25,31.5 17.968,32.782 ; v1(36.5,33) 37.87,33 OC1.15
  Bottom Layer w0.254: v1(23.578,31.485) 23.578,31.549 25.029,33 v1(36.5,33)
NetIOE1_22: IOE1.22 OC1.13 R22.1 | length 37.1
  Top Layer w0.254: R22.1 12.815,28.5 17.46,33.145 17.46,35.881 18.833,37.254 20.934,37.254 IOE1.22 21.076,37.254 22.251,37.254 v1(22.999,36.506) ; v1(36,37.452) 36,36.25 36.79,35.46 OC1.13 OC1.13@37.72,35.69
  Bottom Layer w0.254: v1(22.999,36.506) 22.999,36.58 23.871,37.452 v1(36,37.452)
NetIOE1_23: IOE1.23 OC1.11 R23.1 | length 34.7
  Top Layer w0.254: R23.1 11.032,30.75 11.04,30.742 14.338,30.742 16.952,33.356 16.952,36.092 18.764,37.904 20.934,37.904 21.076,38.046 21.147,37.975 21.175,38.003 22.972,38.003 v1(23,38.03) ; v1(36,38.976) 36.231,38.976 36.934,38.273 37.677,38.273 OC1.11
  Bottom Layer w0.254: v1(23,38.03) 23.13,38.03 24.076,38.976 v1(36,38.976)
NetIOE1_24: IOE1.24 OC1.9 R24.1 | length 36
  Top Layer w0.254: R24.1 9.5,33 11.25,31.25 14.128,31.25 16.444,33.566 16.444,36.539 18.459,38.554 20.934,38.554 21.076,38.696 22.084,38.696 22.643,39.255 22.643,40.032 v1(22.837,40.226) ; v1(36,40.5) 37.91,40.5 OC1.9
  Bottom Layer w0.254: v1(22.837,40.226) 22.974,40.363 35.863,40.363 v1(36,40.5)
NetOLED1_3: OLED1.3 P1.23 | length 20.8
  Top Layer w0.254: OLED1.3 18.699,47.3 22.181,50.782 22.181,51.44 23.122,52.381 35.159,52.381 P1.23
NetOLED1_4: OLED1.4 P1.19 | length 11.8
  Top Layer w0.254: OLED1.4 21.213,47.493 22.151,47.493 24.666,50.008 29.968,50.008 P1.19
NetOLED1_5: OLED1.5 P1.32 | length 29.1
  Top Layer w0.254: OLED1.5 25.76,49.5 32.25,49.5 32.75,50 46.799,50 47.75,50.951 47.75,52.49 P1.32
NetOLED1_6: OLED1.6 P1.33 | length 24.5
  Top Layer w0.254: OLED1.6 28.544,47.3 30.236,48.992 32.992,48.992 33.492,49.492 47.232,49.492 P1.33
NetP1_8: P1.8 RTC1.8 | length 28.7
  Top Layer w0.254: RTC1.8 20.95,28.925 21.298,29.273 v1(21.298,29.426)
  Bottom Layer w0.254: P1.8 15.97,53.53 17.163,52.337 17.163,50.775 19.75,48.188 19.75,42.75 20,42.5 20,32 21.261,30.739 21.261,29.463 v1(21.298,29.426)
NetP1_10: P1.10 RTC1.13 | length 30.1
  Top Layer w0.254: v1(13.593,42.593) 17.25,46.25 17.25,52.53 P1.10 ; v1(16.75,29.75) 17.7,28.8 RTC1.13
  Bottom Layer w0.254: v1(13.593,42.593) 13.5,42.5 13.5,33 v1(16.75,29.75)
NetP1_15: P1.15 R13.1 | length 79.2
  Top Layer w0.254: v1(6.25,13.75) R13.1 ; P1.15 25.94,51.06 24.999,51.06 22.939,49 21.121,49 19.756,47.635 19.756,46.506 19.75,46.5 19.75,46 21.266,44.484 24.766,44.484 26.75,42.5 26.75,28.399 28.383,26.766 31.734,26.766 33.75,24.75 33.75,24.25 v1(36,22)
  Bottom Layer w0.254: v1(6.25,13.75) 26.25,13.75 34.5,22 v1(36,22)
NetP1_16: P1.16 R14.1 | length 72.9
  Top Layer w0.254: R14.1 8.65,19.25 10.022,20.622 10.739,20.622 v1(10.933,20.817) ; v1(28.25,45.25) 29.75,43.75 31.75,43.75 32.994,42.506 32.994,27.953 33,27.947 33,27.5 35.484,25.016 35.484,24.766 v1(35.5,24.75)
  Bottom Layer w0.254: v1(10.933,20.817) 10.933,16.027 12.46,14.5 26.25,14.5 35.484,23.734 35.484,24.734 v1(35.5,24.75) ; P1.16 25.94,53.6 25.94,52.659 24.999,51.718 24.999,50.751 28.25,47.5 v1(28.25,45.25)
NetP1_18: P1.18 R15.1 | length 67
  Top Layer w0.254: R15.1@33.5,15.5 33.65,15.5 42.25,24.1 v1(42.25,26.5) ; v1(33.75,43.75) 33.791,43.75 34.791,42.75 43.928,42.75 45.084,43.906 45.5,44.322 v1(45.5,46.75)
  Bottom Layer w0.254: P1.18 27.539,52.659 27.539,49.985 28.758,48.766 28.758,46.428 31.436,43.75 v1(33.75,43.75) ; v1(42.25,26.5) 42.266,26.516 42.266,35.016 46.75,39.5 46.75,43.113 45.5,44.363 v1(45.5,46.75)
NetP1_22: P1.22 R16.1 | length 45.3
  Top Layer w0.254: R16.1 36.25,19.25 40,23 v1(40,26.5) ; v1(41.25,30.25) 41.25,38.744 41.665,39.159 v1(41.665,39.434)
  Bottom Layer w0.254: P1.22 35.159,52.381 35.159,46.528 41.471,40.216 41.471,39.628 v1(41.665,39.434) ; v1(40,26.5) 41.25,27.75 v1(41.25,30.25)
NetP1_36: P1.36 RTC1.7 | length 58.6
  Top Layer w0.254: RTC1.7 20.95,22.7 23.016,24.766 26.047,24.766 26.063,24.75 v1(28.75,24.75)
  Bottom Layer w0.254: v1(28.75,24.75) 30.766,26.766 36.131,26.766 37.663,25.234 42.984,25.234 47.75,30 47.75,51.609 48.522,52.381 50.121,52.381 P1.36
NetQ1_1: Q1.G R25.2 R29.2 | length 4
  Top Layer w0.254: R25.2 29.5,41.5 R29.2 30.05,41.45 Q1.G@31.5,41.45
NetQ2_1: Q2.G R26.2 R30.2 | length 4
  Top Layer w0.254: R26.2 29.5,37.5 R30.2 30.05,37.45 Q2.G@31.5,37.45
NetQ3_1: Q3.G R27.2 R31.2 | length 4
  Top Layer w0.254: R27.2 29.5,33.5 R31.2 30.05,33.45 Q3.G@31.5,33.45
NetQ4_1: Q4.G R28.2 R32.2 | length 4
  Top Layer w0.254: R28.2 29.5,29.5 R32.2 30.05,29.45 Q4.G@31.5,29.45
NetRTC1_1: RTC1.1 X1.2 | length 2.1
  Top Layer w0.254: X1.2 15.491,22.148 16.099,21.54 RTC1.1
NetRTC1_2: RTC1.2 X1.1 | length 3.9
  Top Layer w0.254: X1.1 15.367,20.735 16.015,20.735 16.5,20.25 17.492,20.25 17.7,20.458 RTC1.2
pads on no net: B1.2 B1.4 B2.2 B2.4 B3.2 B3.4 B4.2 B4.4 B5.2 B5.4 IOE1.5 IOE1.6 IOE1.7 IOE1.8 IOE1.11 IOE1.14 IOE1.25 IOE1.26 IOE1.27 IOE1.28 OLED1.0 P1.13 P1.21 P1.24 P1.26 RTC1.3 RTC1.6 RTC1.9 RTC1.12

## Polygon pours and split planes (outlines as drawn)
GND on Top Layer "GND_L01_P002" (solid, remove dead copper, pour order 2): 3.5,55.75 ccw(c3.5,52.5) 0.25,52.5 0.25,37 ccw(c1.281,37.281) 1,36.25 4.5,36.25 cw(c4.375,35.375) 5.25,35.5 5.25,19.5 cw(c4.375,19.625) 4.5,18.75 1.25,18.75 ccw(c1.625,17.375) 0.25,17.75 0.25,3.5 ccw(c3.5,3.5) 3.5,0.25 61.5,0.25 61.5,55.75
GND on Bottom Layer "GND_L02_P004" (solid, remove dead copper, pour order 4): 3.5,55.75 ccw(c3.5,52.5) 0.25,52.5 0.25,37 ccw(c1.281,37.281) 1,36.25 4.5,36.25 cw(c4.375,35.375) 5.25,35.5 5.25,19.5 cw(c4.375,19.625) 4.5,18.75 1.25,18.75 ccw(c1.625,17.375) 0.25,17.75 0.25,3.5 ccw(c3.5,3.5) 3.5,0.25 61.5,0.25 61.5,55.75

## Silkscreen, mask and mechanical layers (free items; w line width, h text height)
Mechanical 1:
  lines w0.127: 32,52 33,53 ; 32,53 33,52 ; 0,3 ccw(c3,3) 3,0 86,0 ccw(c86,3) 89,3 89,53 ccw(c86,53) 86,56 3,56 ccw(c3,53) 0,53 0,37 ccw(c1,37) 1,36 4,36 cw(c4,35) 5,35 5,20 cw(c4,20) 4,19 1,19 ccw(c1,18) 0,18 0,3

## Text inside footprints (layer, text, board x,y; h text height)
E1: Top Overlay "*" at 44.251,43.663 h1.27 r180; Mechanical 13 "*" at 42.943,44.844 h1.27 r180